# Altium PCB MARLIN.PcbDoc (part 1 of 3) (continued)
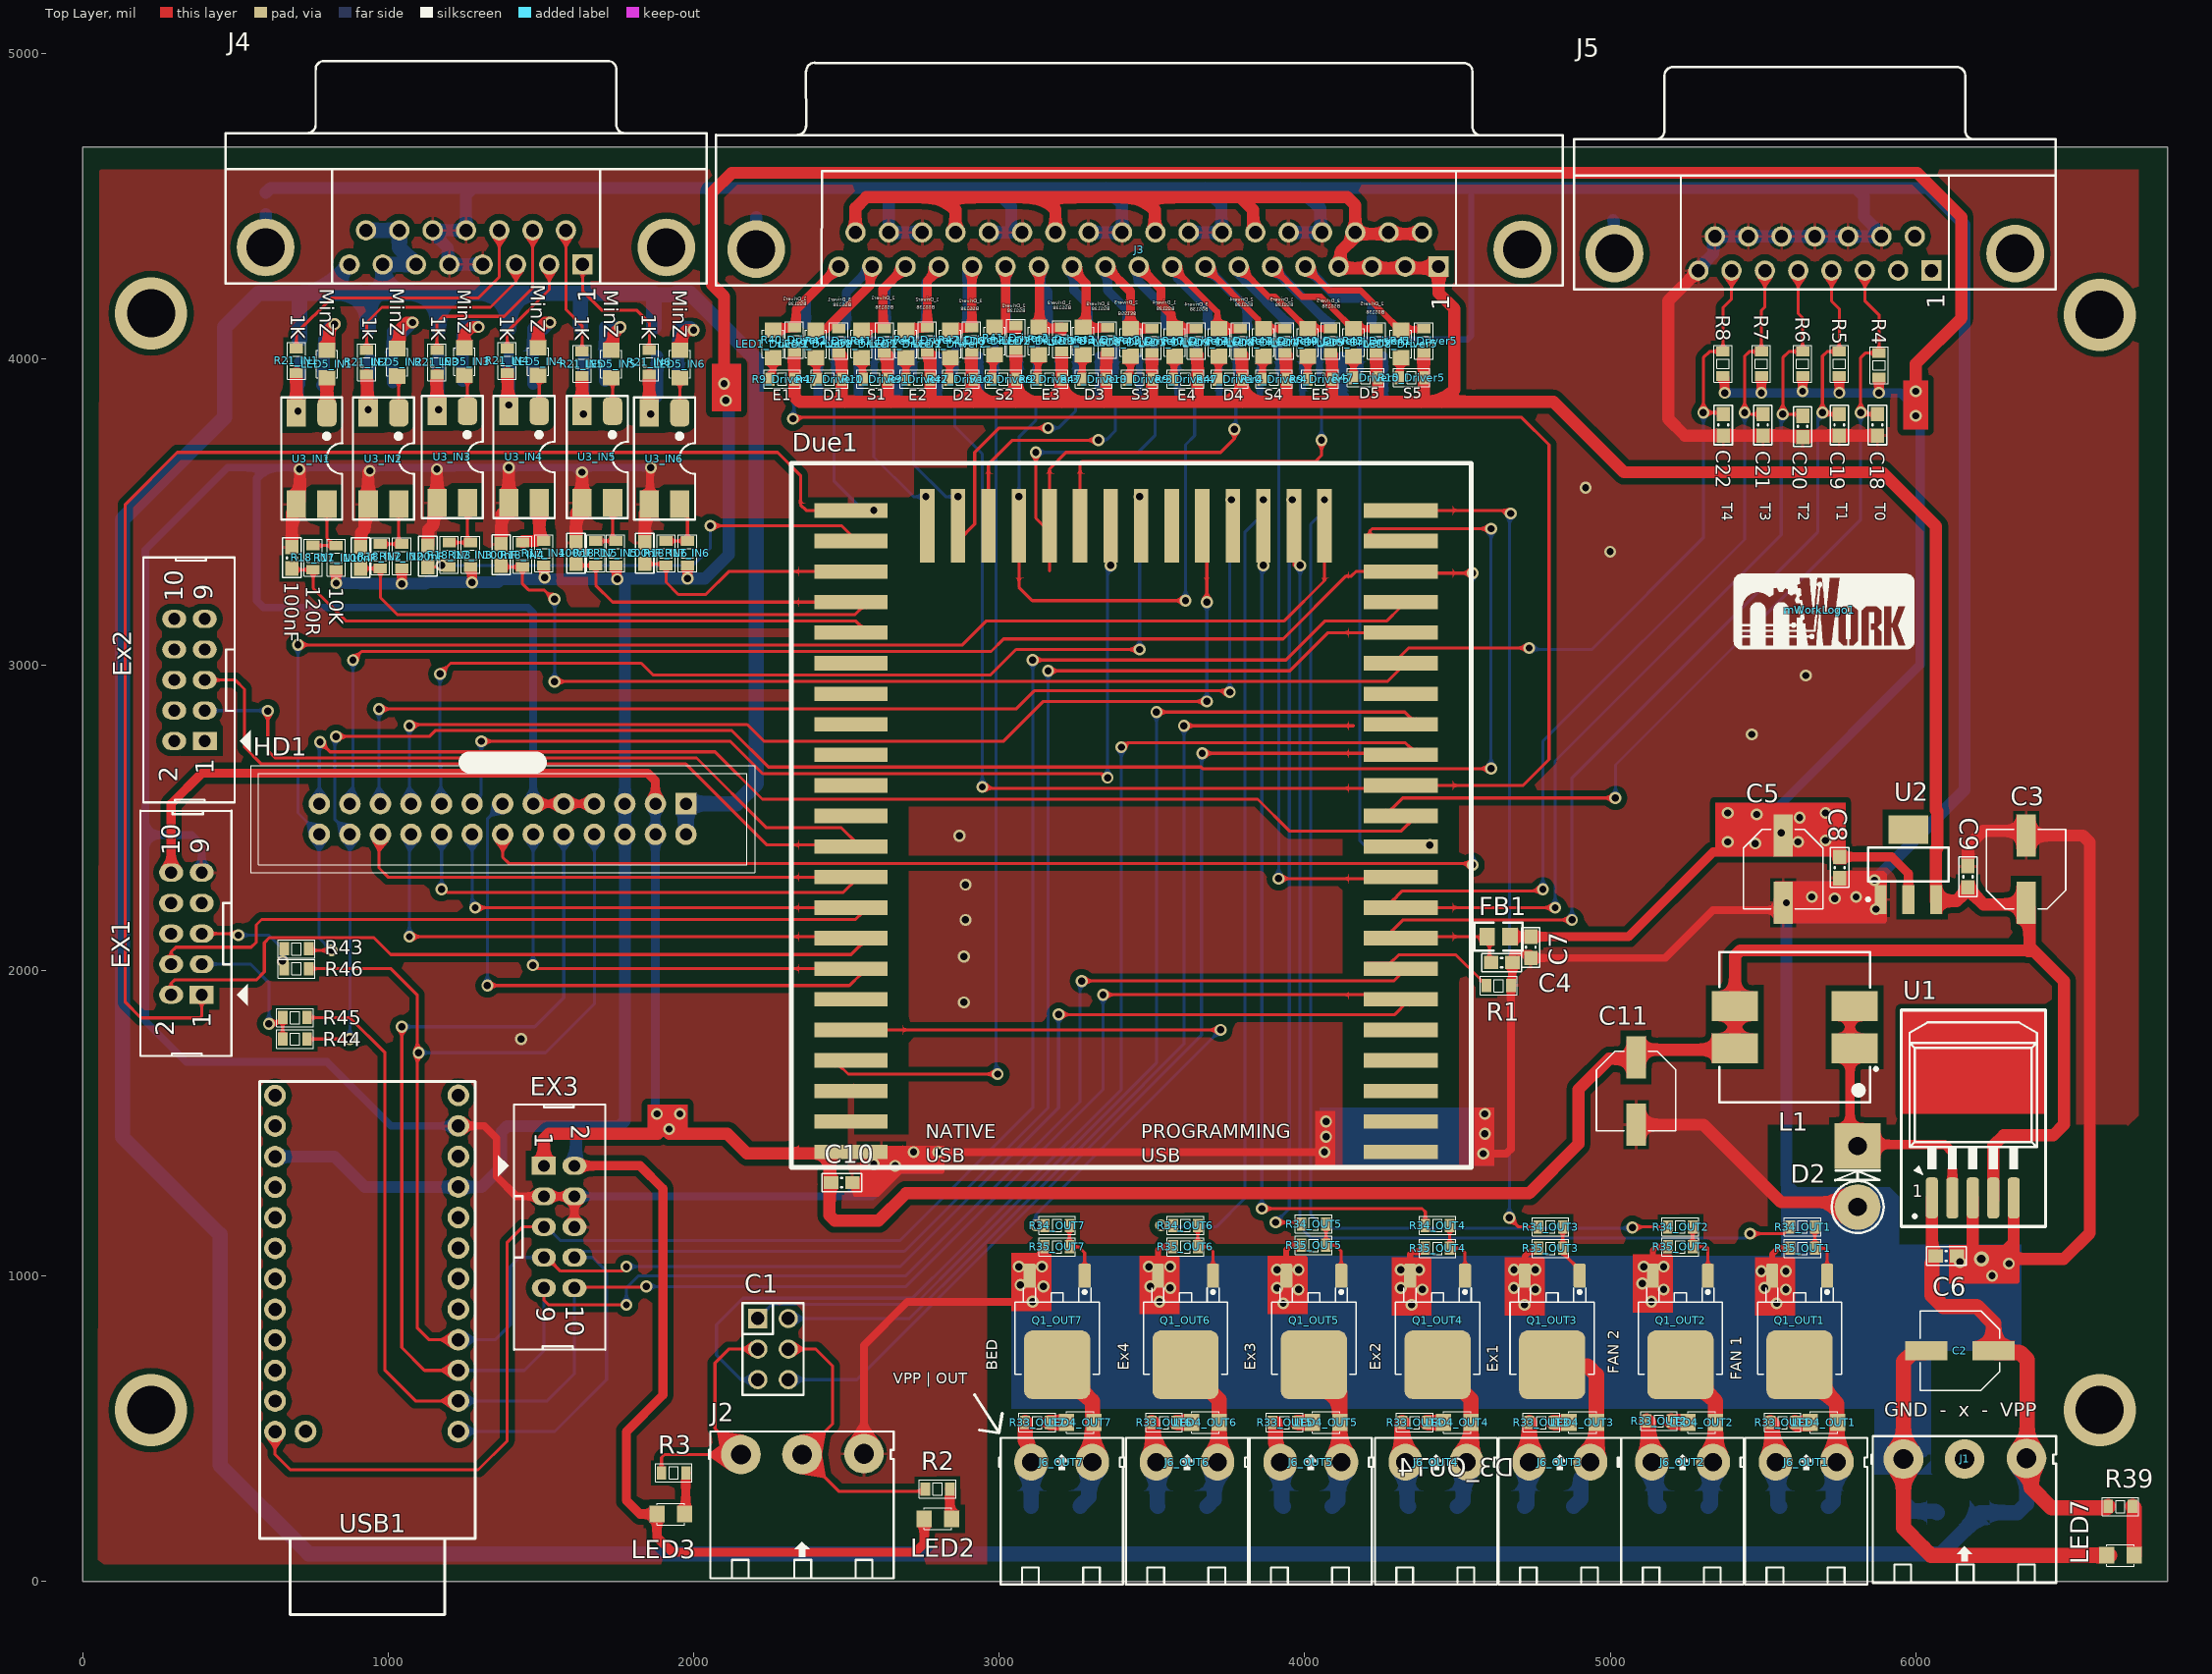
[diagram p0: Top Layer view]
## Components (designator, comment, footprint, x,y, rotation, side; value= is the part's Value field where it differs from the comment)
1_Driver1 "BSS138" SOT23-bss138 2368.64,4062.8 r180 bottom (schematic designator 1)
1_Driver2 "BSS138" SOT23-bss138 2760,4060 r180 bottom (schematic designator 1)
1_Driver3 "BSS138" SOT23-bss138 3160,4060 r180 bottom (schematic designator 1)
1_Driver4 "BSS138" SOT23-bss138 3545,4060 r180 bottom (schematic designator 1)
1_Driver5 "BSS138" SOT23-bss138 3952.6,4060 r180 bottom (schematic designator 1)
2_Driver1 "BSS138" SOT23-bss138 2630,4060 r180 bottom (schematic designator 2)
2_Driver2 "BSS138" SOT23-bss138 3025,4060 r180 bottom (schematic designator 2)
2_Driver3 "BSS138" SOT23-bss138 3420,4060 r180 bottom (schematic designator 2)
2_Driver4 "BSS138" SOT23-bss138 3815,4060 r180 bottom (schematic designator 2)
2_Driver5 "BSS138" SOT23-bss138 4220,4060 r180 bottom (schematic designator 2)
3_Driver1 "BSS138" SOT23-bss138 2500,4060 r180 bottom (schematic designator 3)
3_Driver2 "BSS138" SOT23-bss138 2895,4060 r180 bottom (schematic designator 3)
3_Driver3 "BSS138" SOT23-bss138 3290,4060 r180 bottom (schematic designator 3)
3_Driver4 "BSS138" SOT23-bss138 3682.6,4060 r180 bottom (schematic designator 3)
3_Driver5 "BSS138" SOT23-bss138 4085,4060 r180 bottom (schematic designator 3)
100nF "CN" CN-SMD-0603_big 1840,3365 r270 top value=33pF (schematic designator C27)
100nF "CN" CN-SMD-0603_big 1615,3365 r270 top value=33pF (schematic designator C27)
100nF "CN" CN-SMD-0603_big 1370,3360 r270 top value=33pF (schematic designator C27)
100nF "CN" CN-SMD-0603_big 1130,3355 r270 top value=33pF (schematic designator C27)
100nF "CN" CN-SMD-0603_big 910,3350 r270 top value=33pF (schematic designator C27)
100nF "CN" CN-SMD-0603_big 685,3350 r270 top value=33pF (schematic designator C27)
C1 "JP3x2" JP3-D2T 2260,760 r270 top
C2 "10uF" CAP-ALU-SMD-6.3x7.7x2.2 6145,755 r180 top
C3 "10uF" CAP-ALU-SMD-6.3x7.7x2.2 6361.2,2331.1 r90 top
C4 "CN" CN-SMD-0603_big 4740,2075 r90 top value=33pF
C5 "10uF" CAP-ALU-SMD-6.3x7.7x2.2 5566.2,2331.1 r270 top
C6 "CN" CN-SMD-0603_big 6100,1065 r180 top value=33pF
C7 "CN" CN-SMD-0603_big 4645,2025 r180 top value=33pF
C8 "CN" CN-SMD-0603_big 5751.2,2336.1 r90 top value=33pF
C9 "CN" CN-SMD-0603_big 6171.2,2306.1 r270 top value=33pF
C10 "CN" CN-SMD-0603_big 2485,1305 r180 top value=33pF
C11 "10uF" CAP-ALU-SMD-6.3x7.7x2.2 5085,1605 r270 top
C12 "10uF" CN-SMD-0603_big 2205,4500 r270 bottom value=33pF
C13 "CN" CN-SMD-0603_big 600,4510 r90 bottom value=33pF
C14 "10uF" CN-SMD-0603_big 5010,4490 r270 bottom value=33pF
C18 "10uF" CN-SMD-0603_big 5875,3785 r90 top value=33pF
C19 "10uF" CN-SMD-0603_big 5750,3785 r90 top value=33pF
C20 "10uF" CN-SMD-0603_big 5630,3780 r90 top value=33pF
C21 "10uF" CN-SMD-0603_big 5500,3785 r90 top value=33pF
C22 "10uF" CN-SMD-0603_big 5370,3785 r90 top value=33pF
C26_IN1 "CN" CN-SMD-0603_big 745,3990 r0 bottom value=33pF (schematic designator C26)
C26_IN2 "CN" CN-SMD-0603_big 975,4000 r0 bottom value=33pF (schematic designator C26)
C26_IN3 "CN" CN-SMD-0603_big 1200,4010 r0 bottom value=33pF (schematic designator C26)
C26_IN4 "CN" CN-SMD-0603_big 1430,4005 r0 bottom value=33pF (schematic designator C26)
C26_IN5 "CN" CN-SMD-0603_big 1675,4010 r0 bottom value=33pF (schematic designator C26)
C26_IN6 "CN" CN-SMD-0603_big 1915.85,4010 r0 bottom value=33pF (schematic designator C26)
D1 "Diode" DIO-SMD-214AC 6230,196.81 r180 bottom value=1N5007
D2 "1N5408" D5AN 5810,1425 r270 top
D3_OUT1 "Diode" DIO-SMD-106-HayDung 5635,245 r0 bottom value=1N5007 (schematic designator D3)
D3_OUT2 "Diode" DIO-SMD-106-HayDung 5240,245 r0 bottom value=1N5007 (schematic designator D3)
D3_OUT3 "Diode" DIO-SMD-106-HayDung 4800,245 r0 bottom value=1N5007 (schematic designator D3)
D3_OUT4 "Diode" DIO-SMD-106-HayDung 4420,245 r0 bottom value=1N5007 (schematic designator D3)
D3_OUT5 "Diode" DIO-SMD-106-HayDung 4010,245 r0 bottom value=1N5007 (schematic designator D3)
D3_OUT6 "Diode" DIO-SMD-106-HayDung 3600,245 r0 bottom value=1N5007 (schematic designator D3)
D3_OUT7 "Diode" DIO-SMD-106-HayDung 3185,245 r0 bottom value=1N5007 (schematic designator D3)
Due1 "ArduinoDue" DUE_MODULE_SMT 4265,1405 r0 top
EX1 "Header 5x2" Hed2X5 390,1920 r90 top
Ex2 "Header 5x2" Hed2X5 400,2750 r90 top
EX3 "Header 5x2" Hed2X5 1510,1360 r270 top
FB1 "FB" Capacitor_805 4635,2110 r0 top
HD1 "IDC 13X2" IDC26-B 1975,2545 r180 top value="Header 5x2"
J1 "KF3" KF3-5.08T 5960,400 r0 top
J2 "KF3" KF3-5.08T 2155,415 r0 top
J3 "DB37 Female" DB37 3398.02,4415.08 r90 top
J4 "A32121-ND" DB15 1255,4740 r0 top
J5 "A32121-ND" DB15 5670,4720 r0 top
J6_OUT1 "KF2" KF2-5.08T 5541.93,390 r0 top (schematic designator J6)
J6_OUT2 "KF2" KF2-5.08T 5136.74,390 r0 top (schematic designator J6)
J6_OUT3 "KF2" KF2-5.08T 4735,390 r0 top (schematic designator J6)
J6_OUT4 "KF2" KF2-5.08T 4330,390 r0 top (schematic designator J6)
J6_OUT5 "KF2" KF2-5.08T 3920,390 r0 top (schematic designator J6)
J6_OUT6 "KF2" KF2-5.08T 3515,390 r0 top (schematic designator J6)
J6_OUT7 "KF2" KF2-5.08T 3105,390 r0 top (schematic designator J6)
L1 "2.20 µH" L-SMD-D-12.5x12.5 5604.13,1813.9 r270 top
LED1_Driver1 "LED" LED-0805-Blue 2260,4005 r90 top value="LED 3 - 5 ly 2 Colour" (schematic designator LED1)
LED1_Driver2 "LED" LED-0805-Blue 2695,4005 r90 top value="LED 3 - 5 ly 2 Colour" (schematic designator LED1)
LED1_Driver3 "LED" LED-0805-Blue 3130,4015 r90 top value="LED 3 - 5 ly 2 Colour" (schematic designator LED1)
LED1_Driver4 "LED" LED-0805-Blue 3575,4010 r90 top value="LED 3 - 5 ly 2 Colour" (schematic designator LED1)
LED1_Driver5 "LED" LED-0805-Blue 4010,4010 r90 top value="LED 3 - 5 ly 2 Colour" (schematic designator LED1)
LED2 "LED" LED-0805-Blue 2755,205 r0 top value="LED 3 - 5 ly 2 Colour"
LED3 "LED" LED-0805-Blue 1880,220 r0 top value="LED 3 - 5 ly 2 Colour"
LED4_OUT1 "LED" LED-0805-Blue 5655,520 r0 top value="LED 3 - 5 ly 2 Colour" (schematic designator LED4)
LED4_OUT2 "LED" LED-0805-Blue 5255,520 r0 top value="LED 3 - 5 ly 2 Colour" (schematic designator LED4)
LED4_OUT3 "LED" LED-0805-Blue 4865,520 r0 top value="LED 3 - 5 ly 2 Colour" (schematic designator LED4)
LED4_OUT4 "LED" LED-0805-Blue 4455,520 r0 top value="LED 3 - 5 ly 2 Colour" (schematic designator LED4)
LED4_OUT5 "LED" LED-0805-Blue 4025,520 r0 top value="LED 3 - 5 ly 2 Colour" (schematic designator LED4)
LED4_OUT6 "LED" LED-0805-Blue 3630,520 r0 top value="LED 3 - 5 ly 2 Colour" (schematic designator LED4)
LED4_OUT7 "LED" LED-0805-Blue 3220,520 r0 top value="LED 3 - 5 ly 2 Colour" (schematic designator LED4)
LED5_IN1 "MinZ" LED-0805-Blue 799.79,4030 r270 top value="LED 3 - 5 ly 2 Colour" (schematic designator LED5)
LED5_IN2 "MinZ" LED-0805-Blue 1030,4035 r270 top value="LED 3 - 5 ly 2 Colour" (schematic designator LED5)
LED5_IN3 "MinZ" LED-0805-Blue 1250,4037.03 r270 top value="LED 3 - 5 ly 2 Colour" (schematic designator LED5)
LED5_IN4 "MinZ" LED-0805-Blue 1490.91,4037.03 r270 top value="LED 3 - 5 ly 2 Colour" (schematic designator LED5)
LED5_IN5 "MinZ" LED-0805-Blue 1730,4030 r270 top value="LED 3 - 5 ly 2 Colour" (schematic designator LED5)
LED5_IN6 "MinZ" LED-0805-Blue 1955,4030 r270 top value="LED 3 - 5 ly 2 Colour" (schematic designator LED5)
LED7 "LED" LED-0805-Blue 6715,85 r180 top value="LED 3 - 5 ly 2 Colour"
LED8_Driver1 "LED" LED-0805-Blue 2550,4005 r90 top value="LED 3 - 5 ly 2 Colour" (schematic designator LED8)
LED8_Driver2 "LED" LED-0805-Blue 2985,4015 r90 top value="LED 3 - 5 ly 2 Colour" (schematic designator LED8)
LED8_Driver3 "LED" LED-0805-Blue 3430,4010 r90 top value="LED 3 - 5 ly 2 Colour" (schematic designator LED8)
LED8_Driver4 "LED" LED-0805-Blue 3865,4010 r90 top value="LED 3 - 5 ly 2 Colour" (schematic designator LED8)
LED8_Driver5 "LED" LED-0805-Blue 4315,4005 r90 top value="LED 3 - 5 ly 2 Colour" (schematic designator LED8)
LED9_Driver1 "LED" LED-0805-Blue 2400,4005 r90 top value="LED 3 - 5 ly 2 Colour" (schematic designator LED9)
LED9_Driver2 "LED" LED-0805-Blue 2840,4005 r90 top value="LED 3 - 5 ly 2 Colour" (schematic designator LED9)
LED9_Driver3 "LED" LED-0805-Blue 3275,4015 r90 top value="LED 3 - 5 ly 2 Colour" (schematic designator LED9)
LED9_Driver4 "LED" LED-0805-Blue 3720,4010 r90 top value="LED 3 - 5 ly 2 Colour" (schematic designator LED9)
LED9_Driver5 "LED" LED-0805-Blue 4160,4010 r90 top value="LED 3 - 5 ly 2 Colour" (schematic designator LED9)
mWorkLogo1 "LogoMwork" LogoMwork15*6 5685,3180 r0 top
Q1_OUT1 "IPD079N06L3" TO252-3 5620,854.33 r180 top (schematic designator Q1)
Q1_OUT2 "IPD079N06L3" TO252-3 5230.04,854.33 r180 top (schematic designator Q1)
Q1_OUT3 "IPD079N06L3" TO252-3 4810,854.33 r180 top (schematic designator Q1)
Q1_OUT4 "IPD079N06L3" TO252-3 4435,854.33 r180 top (schematic designator Q1)
Q1_OUT5 "IPD079N06L3" TO252-3 4030,854.33 r180 top (schematic designator Q1)
Q1_OUT6 "IPD079N06L3" TO252-3 3610,854.33 r180 top (schematic designator Q1)
Q1_OUT7 "IPD079N06L3" TO252-3 3189.96,854.33 r180 top (schematic designator Q1)
R1 "R" RES-SMD-0603_BIG 4635,1950 r0 top
R2 "R" RES-SMD-0603_BIG 2798.44,302.15 r0 top
R3 "R" RES-SMD-0603_BIG 1935,355 r0 top
R4 "4.7K" RES-SMD-0603_BIG 5880,3980 r90 top
R5 "4.7K" RES-SMD-0603_BIG 5750,3985 r90 top
R6 "4.7K" RES-SMD-0603_BIG 5630,3985 r90 top
R7 "4.7K" RES-SMD-0603_BIG 5495,3985 r90 top
R8 "4.7K" RES-SMD-0603_BIG 5369.47,3985 r90 top
R9_Driver1 "R" RES-SMD-0603_BIG 2290,3935 r180 top (schematic designator R9)
R9_Driver2 "R" RES-SMD-0603_BIG 2735,3935 r180 top (schematic designator R9)
R9_Driver3 "R" RES-SMD-0603_BIG 3165,3935 r180 top (schematic designator R9)
R9_Driver4 "R" RES-SMD-0603_BIG 3610,3935 r180 top (schematic designator R9)
R9_Driver5 "R" RES-SMD-0603_BIG 4050,3935 r180 top (schematic designator R9)
R10_Driver1 "R" RES-SMD-0603_BIG 2595,3935 r180 top (schematic designator R10)
R10_Driver2 "R" RES-SMD-0603_BIG 3015,3935 r180 top (schematic designator R10)
R10_Driver3 "R" RES-SMD-0603_BIG 3460,3935 r180 top (schematic designator R10)
R10_Driver4 "R" RES-SMD-0603_BIG 3900,3935 r180 top (schematic designator R10)
R10_Driver5 "R" RES-SMD-0603_BIG 4350,3940 r180 top (schematic designator R10)
R17_IN1 "10K" RES-SMD-0603_BIG 830,3350 r90 top (schematic designator R17)
R17_IN2 "10K" RES-SMD-0603_BIG 1045,3355 r90 top (schematic designator R17)
R17_IN3 "10K" RES-SMD-0603_BIG 1270,3360 r90 top (schematic designator R17)
R17_IN4 "10K" RES-SMD-0603_BIG 1510,3365 r90 top (schematic designator R17)
R17_IN5 "10K" RES-SMD-0603_BIG 1745,3365 r90 top (schematic designator R17)
R17_IN6 "10K" RES-SMD-0603_BIG 1980,3365 r90 top (schematic designator R17)
R18_IN1 "120R" RES-SMD-0603_BIG 754.79,3350.85 r90 top (schematic designator R18)
R18_IN2 "120R" RES-SMD-0603_BIG 975,3355 r90 top (schematic designator R18)
R18_IN3 "120R" RES-SMD-0603_BIG 1200,3360 r90 top (schematic designator R18)
R18_IN4 "120R" RES-SMD-0603_BIG 1440,3360 r90 top (schematic designator R18)
R18_IN5 "120R" RES-SMD-0603_BIG 1680,3365 r90 top (schematic designator R18)
R18_IN6 "120R" RES-SMD-0603_BIG 1910,3365 r90 top (schematic designator R18)
R19_IN1 "R" RES-SMD-0603_BIG 750,4065 r0 bottom (schematic designator R19)
R19_IN2 "R" RES-SMD-0603_BIG 975,4095 r0 bottom (schematic designator R19)
R19_IN3 "R" RES-SMD-0603_BIG 1205,4100 r0 bottom (schematic designator R19)
R19_IN4 "R" RES-SMD-0603_BIG 1435,4100 r0 bottom (schematic designator R19)
R19_IN5 "R" RES-SMD-0603_BIG 1670,4105 r0 bottom (schematic designator R19)
R19_IN6 "R" RES-SMD-0603_BIG 1910,4105 r0 bottom (schematic designator R19)
R20_IN1 "R" RES-SMD-0603_BIG 745,3915 r180 bottom (schematic designator R20)
R20_IN2 "R" RES-SMD-0603_BIG 975,3925 r180 bottom (schematic designator R20)
R20_IN3 "R" RES-SMD-0603_BIG 1205,3930 r180 bottom (schematic designator R20)
R20_IN4 "R" RES-SMD-0603_BIG 1430,3930 r180 bottom (schematic designator R20)
R20_IN5 "R" RES-SMD-0603_BIG 1680,3935 r180 bottom (schematic designator R20)
R20_IN6 "R" RES-SMD-0603_BIG 1915.85,3935 r180 bottom (schematic designator R20)
R21_IN1 "1K" RES-SMD-0603_BIG 700,3995 r270 top (schematic designator R21)
R21_IN2 "1k" RES-SMD-0603_BIG 930,3990 r270 top (schematic designator R21)
R21_IN3 "1K" RES-SMD-0603_BIG 1160,3990 r270 top (schematic designator R21)
R21_IN4 "1K" RES-SMD-0603_BIG 1390,3995 r270 top (schematic designator R21)
R21_IN5 "1K" RES-SMD-0603_BIG 1635,3985 r270 top (schematic designator R21)
R21_IN6 "1K" RES-SMD-0603_BIG 1855,3990 r270 top (schematic designator R21)
R30_Driver1 "R" RES-SMD-0603_BIG 2368.64,3947.8 r180 bottom (schematic designator R30)
R30_Driver2 "R" RES-SMD-0603_BIG 2760,3945 r180 bottom (schematic designator R30)
R30_Driver3 "R" RES-SMD-0603_BIG 3160,3945 r180 bottom (schematic designator R30)
R30_Driver4 "R" RES-SMD-0603_BIG 3550,3945 r180 bottom (schematic designator R30)
R30_Driver5 "R" RES-SMD-0603_BIG 3955,3945 r180 bottom (schematic designator R30)
R31_Driver1 "R" RES-SMD-0603_BIG 2630,3945 r180 bottom (schematic designator R31)
R31_Driver2 "R" RES-SMD-0603_BIG 3030,3945 r180 bottom (schematic designator R31)
R31_Driver3 "R" RES-SMD-0603_BIG 3420,3945 r180 bottom (schematic designator R31)
R31_Driver4 "R" RES-SMD-0603_BIG 3815,3945 r180 bottom (schematic designator R31)
R31_Driver5 "R" RES-SMD-0603_BIG 4220,3945 r180 bottom (schematic designator R31)
R32_Driver1 "R" RES-SMD-0603_BIG 2500,3945 r180 bottom (schematic designator R32)
R32_Driver2 "R" RES-SMD-0603_BIG 2895,3945 r180 bottom (schematic designator R32)
R32_Driver3 "R" RES-SMD-0603_BIG 3290,3945 r180 bottom (schematic designator R32)
R32_Driver4 "R" RES-SMD-0603_BIG 3680,3945 r180 bottom (schematic designator R32)
R32_Driver5 "R" RES-SMD-0603_BIG 4090,3945 r180 bottom (schematic designator R32)
R33_OUT1 "R" RES-SMD-0603_BIG 5565,520 r180 top (schematic designator R33)
R33_OUT2 "R" RES-SMD-0603_BIG 5160,525 r180 top (schematic designator R33)
R33_OUT3 "R" RES-SMD-0603_BIG 4775,520 r180 top (schematic designator R33)
R33_OUT4 "R" RES-SMD-0603_BIG 4360,520 r180 top (schematic designator R33)
R33_OUT5 "R" RES-SMD-0603_BIG 3935,520 r180 top (schematic designator R33)
R33_OUT6 "R" RES-SMD-0603_BIG 3540,520 r180 top (schematic designator R33)
R33_OUT7 "R" RES-SMD-0603_BIG 3125,520 r180 top (schematic designator R33)
R34_OUT1 "R" RES-SMD-0603_BIG 5630,1160 r0 top (schematic designator R34)
R34_OUT2 "R" RES-SMD-0603_BIG 5230,1160 r0 top (schematic designator R34)
R34_OUT3 "R" RES-SMD-0603_BIG 4805,1160 r0 top (schematic designator R34)
R34_OUT4 "R" RES-SMD-0603_BIG 4435,1165 r0 top (schematic designator R34)
R34_OUT5 "R" RES-SMD-0603_BIG 4030,1170 r0 top (schematic designator R34)
R34_OUT6 "R" RES-SMD-0603_BIG 3610,1165 r0 top (schematic designator R34)
R34_OUT7 "R" RES-SMD-0603_BIG 3190,1165 r0 top (schematic designator R34)
R35_OUT1 "R" RES-SMD-0603_BIG 5630,1090 r0 top (schematic designator R35)
R35_OUT2 "R" RES-SMD-0603_BIG 5230,1095 r0 top (schematic designator R35)
R35_OUT3 "R" RES-SMD-0603_BIG 4805,1090 r0 top (schematic designator R35)
R35_OUT4 "R" RES-SMD-0603_BIG 4435,1090 r0 top (schematic designator R35)
R35_OUT5 "R" RES-SMD-0603_BIG 4030,1100 r0 top (schematic designator R35)
R35_OUT6 "R" RES-SMD-0603_BIG 3610,1095 r0 top (schematic designator R35)
R35_OUT7 "R" RES-SMD-0603_BIG 3190,1095 r0 top (schematic designator R35)
R36_Driver1 "R" RES-SMD-0603_BIG 2368.64,3877.8 r0 bottom (schematic designator R36)
R36_Driver2 "R" RES-SMD-0603_BIG 2760,3875 r0 bottom (schematic designator R36)
R36_Driver3 "R" RES-SMD-0603_BIG 3160,3875 r0 bottom (schematic designator R36)
R36_Driver4 "R" RES-SMD-0603_BIG 3550,3875 r0 bottom (schematic designator R36)
R36_Driver5 "R" RES-SMD-0603_BIG 3955,3875 r0 bottom (schematic designator R36)
R37_Driver1 "R" RES-SMD-0603_BIG 2630,3875 r0 bottom (schematic designator R37)
R37_Driver2 "R" RES-SMD-0603_BIG 3030,3875 r0 bottom (schematic designator R37)
R37_Driver3 "R" RES-SMD-0603_BIG 3420,3875 r0 bottom (schematic designator R37)
R37_Driver4 "R" RES-SMD-0603_BIG 3815,3875 r0 bottom (schematic designator R37)
R37_Driver5 "R" RES-SMD-0603_BIG 4220,3875 r0 bottom (schematic designator R37)
R38_Driver1 "R" RES-SMD-0603_BIG 2500,3875 r0 bottom (schematic designator R38)
R38_Driver2 "R" RES-SMD-0603_BIG 2895,3875 r0 bottom (schematic designator R38)
R38_Driver3 "R" RES-SMD-0603_BIG 3290,3875 r0 bottom (schematic designator R38)
R38_Driver4 "R" RES-SMD-0603_BIG 3680,3875 r0 bottom (schematic designator R38)
R38_Driver5 "R" RES-SMD-0603_BIG 4090,3875 r0 bottom (schematic designator R38)
R39 "R" RES-SMD-0603_BIG 6670,245 r0 top
R40_Driver1 "R" RES-SMD-0603_BIG 2330,4062.97 r90 top (schematic designator R40)
R40_Driver2 "R" RES-SMD-0603_BIG 2765,4062.97 r90 top (schematic designator R40)
R40_Driver3 "R" RES-SMD-0603_BIG 3205,4065 r90 top (schematic designator R40)
R40_Driver4 "R" RES-SMD-0603_BIG 3645,4060 r90 top (schematic designator R40)
R40_Driver5 "R" RES-SMD-0603_BIG 4085,4060 r90 top (schematic designator R40)
R41_Driver1 "R" RES-SMD-0603_BIG 2625,4060 r90 top (schematic designator R41)
R41_Driver2 "R" RES-SMD-0603_BIG 3055,4070 r90 top (schematic designator R41)
R41_Driver3 "R" RES-SMD-0603_BIG 3500,4060 r90 top (schematic designator R41)
R41_Driver4 "R" RES-SMD-0603_BIG 3935,4060 r90 top (schematic designator R41)
R41_Driver5 "R" RES-SMD-0603_BIG 4390,4060 r90 top (schematic designator R41)
R42_Driver1 "R" RES-SMD-0603_BIG 2475,4060 r90 top (schematic designator R42)
R42_Driver2 "R" RES-SMD-0603_BIG 2910,4062.97 r90 top (schematic designator R42)
R42_Driver3 "R" RES-SMD-0603_BIG 3355,4062.97 r90 top (schematic designator R42)
R42_Driver4 "R" RES-SMD-0603_BIG 3790,4060 r90 top (schematic designator R42)
R42_Driver5 "R" RES-SMD-0603_BIG 4235,4060 r90 top (schematic designator R42)
R43 "R" RES-SMD-0603_BIG 700,2070 r0 top
R44 "R" RES-SMD-0603_BIG 695,1775 r0 top
R45 "R" RES-SMD-0603_BIG 695,1845 r0 top
R46 "R" RES-SMD-0603_BIG 700,2005 r0 top
R47_Driver1 "R" RES-SMD-0603_BIG 2445,3935 r180 top (schematic designator R47)
R47_Driver2 "R" RES-SMD-0603_BIG 2875,3935 r180 top (schematic designator R47)
R47_Driver3 "R" RES-SMD-0603_BIG 3310,3935 r180 top (schematic designator R47)
R47_Driver4 "R" RES-SMD-0603_BIG 3755,3935 r180 top (schematic designator R47)
R47_Driver5 "R" RES-SMD-0603_BIG 4200,3940 r180 top (schematic designator R47)
U1 "LM2576" TO263 6171.93,1490 r0 top
U2 "LM1117-3.3V" SOT223 5976.2,2346.1 r0 top
U3_IN1 "PC817" PC817SMT 800,3825 r180 top (schematic designator U3)
U3_IN2 "PC817" PC817SMT 1035,3825 r180 top (schematic designator U3)
U3_IN3 "PC817" PC817SMT 1260,3830 r180 top (schematic designator U3)
U3_IN4 "PC817" PC817SMT 1495,3830 r180 top (schematic designator U3)
U3_IN5 "PC817" PC817SMT 1735,3830 r180 top (schematic designator U3)
U3_IN6 "PC817" PC817SMT 1955,3825 r180 top (schematic designator U3)
USB1 "MAX3421E" USB_SHIELD 1230,490.61 r180 top

## Footprints (in the part's own frame and the unit in brackets; to place one, negate y for a bottom-side part, rotate by r counter-clockwise, add the part's x,y. Pads: shape width x height; smd on the part's side, far side on the other; paste and mask are expansions set on the pad)
CAP-ALU-SMD-6.3x7.7x2.2 [mm]
  rect 3.5x1.6 smd: 1(-2.8,0) 2(2.8,0)
  silkscreen extent -3.3,-3.3 3.3,3.3, body extent -3.65,-3.3 3.65,3.3, height 7.65
Capacitor_805 [mm]
  rect 1.3x1.5 smd: 1(0.95,0) 2(-0.95,0)
  silkscreen extent -2,-1.15 2,1.15, body extent -1,-0.63 1,0.62, height 0.78
CN-SMD-0603_big [mm]
  rect 1.2x1.1 smd: 1(-0.889,0) 2(0.889,0)
  silkscreen extent -1.65,-0.76 1.65,0.76, body extent -0.8,-0.4 0.8,0.4, height 0.3
D5AN [mil] "Diode 5A, W 200mil, L 250mil"
  round 150 hole 60: 1(200,0)
  rect 150x150 hole 60: 2(0,0)
  silkscreen extent 81,-85 285,85, body extent 21,-74 189,31, height 252
DB15 [mm] "Connector; D Subminiature AMPLIMITE 2000; 15 Position; Right Angle"
  rect 1.69x1.69 hole 1.09: 1(9.695,-10.92)
  round 1.69 hole 1.09: 2(6.925,-10.92) 3(4.155,-10.92) 4(1.385,-10.92) 5(-1.385,-10.92) 6(-4.155,-10.92) 7(-6.925,-10.92) 8(-9.683,-10.925) 9(8.31,-8.08) 10(5.54,-8.08) 11(2.77,-8.08) 12(0,-8.08) 13(-2.77,-8.08) 14(-5.54,-8.08) 15(-8.31,-8.08)
  round 4.8 hole 3.18: 16(16.66,-9.5) 17(-16.66,-9.5)
  silkscreen extent -20,-12.5 20,6, body extent -19.56,-12.7 20.06,6.1, height 12.56
DB37 [mm]
  rect 1.69x1.69 hole 1.09: 1(-2.842,-26.427)
  round 1.69 hole 1.09: 2(-2.842,-23.657) 3(-2.842,-20.887) 4(-2.842,-18.117) 5(-2.842,-15.347) 6(-2.842,-12.577) 7(-2.842,-9.807) 8(-2.842,-7.037) 9(-2.842,-4.267) 10(-2.842,-1.497) 11(-2.842,1.27) 12(-2.842,4.043) 13(-2.842,6.813) 14(-2.842,9.583) 15(-2.842,12.353) 16(-2.842,15.123) 17(-2.842,17.893) 18(-2.842,20.663) 19(-2.842,23.433) 20(-0.002,-25.042) 21(-0.002,-22.272) 22(-0.002,-19.502) 23(-0.002,-16.732) 24(-0.002,-13.962) 25(-0.002,-11.192) 26(-0.002,-8.422) 27(-0.002,-5.652) 28(-0.002,-2.882) 29(-0.002,-0.112) 30(-0.002,2.658) 31(-0.002,5.428) 32(-0.002,8.198) 33(-0.002,10.968) 34(-0.002,13.738) 35(-0.002,16.508) 36(-0.002,19.278) 37(-0.002,22.048)
  round 4.8 hole 3.18: 38(-1.416,-33.395) 39(-1.397,30.306)
  silkscreen extent -4.42,-36.73 14.1,33.66, body extent -4.14,-36.35 18.92,33.3, height 12.71
DIO-SMD-106-HayDung [mm]
  rect 2.5x2.6 smd: 1(2.032,0) 2(-2.032,0)
  silkscreen extent -3.56,-1.4 3.43,1.4, body extent -2.51,-1.28 2.69,1.32, height 2.4
DIO-SMD-214AC [mil] "DO-214AC , ES1J"
  rect 65x80 smd: 1(160,28.19) 2(20,28.19)
  silkscreen extent -20,-25 200,85, body extent 16,-1 161,62, height 49
DUE_MODULE_SMT [mm]
  rect 3.6x1.2 smd: 1(0,0) 2(2.54,0) 3(0,2.54) 4(2.54,2.54) 5(0,5.08) 6(2.54,5.08) 7(0,7.62) 8(2.54,7.62) 9(0,10.16) 10(2.54,10.16) 11(0,12.7) 12(2.54,12.7) 13(0,15.24) 14(2.54,15.24) 15(0,17.78) 16(2.54,17.78) 17(0,20.32) 18(2.54,20.32) 19(0,22.86) 20(2.54,22.86) 21(0,25.4) 22(2.54,25.4) 23(0,27.94) 24(2.54,27.94) 25(0,30.48) 26(2.54,30.48) 27(0,33.02) 28(2.54,33.02) 29(0,35.56) 30(2.54,35.56) 31(0,38.1) 32(2.54,38.1) 33(0,40.64) 34(2.54,40.64) 35(0,43.18) 36(2.54,43.18) 37(0,45.72) 38(2.54,45.72) 39(0,48.26) 40(2.54,48.26) 41(0,50.8) 42(2.54,50.8) 43(0,53.34) 44(2.54,53.34)
  rect 3.55x1.2 smd: 45(-45.72,0) 46(-43.18,0) 47(-45.72,2.54) 48(-43.18,2.54) 49(-45.72,5.08) 50(-43.18,5.08) 51(-45.72,7.62) 52(-43.18,7.62) 53(-45.72,10.16) 54(-43.18,10.16) 55(-45.72,12.7) 56(-43.18,12.7) 57(-45.72,15.24) 58(-43.18,15.24) 59(-45.72,17.78) 60(-43.18,17.78) 61(-45.72,20.32) 62(-43.18,20.32) 63(-45.72,22.86) 64(-43.18,22.86) 65(-45.72,25.4) 66(-43.18,25.4) 67(-45.72,27.94) 68(-43.18,27.94) 69(-45.72,30.48) 70(-43.18,30.48) 71(-45.72,33.02) 72(-43.18,33.02) 73(-45.72,35.56) 74(-43.18,35.56) 75(-45.72,38.1) 76(-43.18,38.1) 77(-45.72,40.64) 78(-43.18,40.64) 79(-45.72,43.18) 80(-43.18,43.18) 81(-45.72,45.72) 82(-43.18,45.72) 83(-45.72,48.26) 84(-43.18,48.26) 85(-45.72,50.8) 86(-43.18,50.8) 87(-45.72,53.34) 88(-43.18,53.34)
  rect 1.2x3.6 smd: 89(-38.1,50.8) 90(-38.1,53.34) 91(-35.56,50.8) 92(-35.56,53.34) 93(-33.02,50.8) 94(-33.02,53.34) 95(-30.48,50.8) 96(-30.48,53.34) 97(-27.94,50.8) 98(-27.94,53.34) 99(-25.4,50.8) 100(-25.4,53.34) 101(-22.86,50.8) 102(-22.86,53.34) 103(-20.32,50.8) 104(-20.32,53.34) 105(-17.78,50.8) 106(-17.78,53.34) 107(-15.24,50.8) 108(-15.24,53.34) 109(-12.7,50.8) 110(-12.7,53.34) 111(-10.16,50.8) 112(-10.16,53.34) 113(-7.62,50.8) 114(-7.62,53.34) 115(-5.08,50.8) 116(-5.08,53.34)
  silkscreen extent -49.4,-1.27 7.11,57.28
Hed2X5 [mm] "Header 10x2,20 pin, connecter"
  rect 1.5x2 hole 1: 1(0,0)
  oval 1.5x2 hole 1: 2(0,2.54) 3(2.54,0) 4(2.54,2.54) 5(5.08,0) 6(5.08,2.54) 7(7.62,0) 8(7.62,2.54) 9(10.16,0) 10(10.16,2.54)
  silkscreen extent -5.1,-3.81 15.29,5.11, body extent -5.17,-3.33 15.33,5.97, height 8.82
IDC26-B [mil]
  rect 70x70 hole 40: 1(0,0)
  round 70 hole 40: 2(0,100) 3(100,0) 4(100,100) 5(200,0) 6(200,100) 7(300,0) 8(300,100) 9(400,0) 10(400,100) 11(500,0) 12(500,100) 13(600,0) 14(600,100) 15(700,0) 16(700,100) 17(800,0) 18(800,100) 19(900,0) 20(900,100) 21(1000,0) 22(1000,100) 23(1100,0) 24(1100,100) 25(1200,0) 26(1200,100)
  silkscreen extent -226,-125 1425,225, body extent -225,-125 1425,225, height 358
JP3-D2T [mm] "6 pins, dual pin, straight, gold plating"
  rect 1.6x1.6 hole 1.1: 1(-2.54,-1.27)
  round 1.6 hole 1.1: 2(0,-1.27) 3(2.54,-1.27) 4(2.54,1.27) 5(0,1.27) 6(-2.54,1.27)
  silkscreen extent -3.81,-2.54 3.81,2.54, body extent -3.81,-2.54 3.81,2.54, height 8.55
KF2-5.08T [mil] "Header 2, 2 pin, hight 300mil, Pin to Pin 200, Colour Green"
  oval 110x120 hole 60: 1(0,0) 2(200,0)
  silkscreen extent -105,-400 300,80, body extent -97,-399 297,73, height 334
KF3-5.08T [mil] "Header 3, 3 pin, hight 300mil, Pin to Pin 200, Colour Green"
  round 130 hole 65: 1(0,0) 2(200,0) 3(402.62,2.62)
  silkscreen extent -105,-405 500,75, body extent -95,-404 496,68, height 124
L-SMD-D-12.5x12.5 [mm] "SMD Inductor, 4-Leads, Body 12.5x12.5mm (max)"
  rect 2.5x3.85 smd: 1(1.75,4.975) 2(-1.75,4.975) 3(-1.75,-4.975) 4(1.75,-4.975)
  silkscreen extent -6.25,-6.25 6.25,6.88, body extent -6.25,-6.25 6.25,6.25, height 8.6
LED-0805-Blue [mil]
  rect 50x55 smd: 1(0,0) 2(90,0)
  silkscreen extent 0,-35 90,35, body extent 5,-25 85,25, height 43
LogoMwork15*6 [mil] "15mm*6mm"
  silkscreen extent -281,-128 311,118
PC817SMT [mil] "4 PIN, W 300mil, Pin to pin 100mil"
  rrect50% 62.99x90 smd: 1(0,0)
  rect 62.99x90 smd: 2(100,0) 3(100,300) 4(0,300)
  silkscreen extent -50,-50 150,350, body extent -59,-10 159,305, height 170
RES-SMD-0603_BIG [mm]
  rect 0.8x1.1 smd: 1(-1.016,0) 2(1.016,0)
  silkscreen extent -1.52,-0.76 1.52,0.76, body extent -0.8,-0.4 0.8,0.4, height 0.43
SOT23-bss138 [mm] "SOT23, 1=bottom-left, 2=top, 3=bottom-right"
  rect 0.9x0.95 smd: D(0,1.25) G(-0.95,-1.25) S(0.955,-1.25)
  silkscreen extent -1.3,-0.38 1.3,1.25, body extent -1.52,-1.23 1.48,1.27, height 1.06
SOT223 [mm]
  rect 1x2.4 smd: 1(-2.3,-2.9) 2(0,-2.9) 3(2.3,-2.9)
  rect 3.3x2.4 smd: 4(0,2.9)
  silkscreen extent -3.47,-3.02 3.35,1.4, body extent -3.25,-3.56 3.25,3.4, height 1.68
TO252-3 [mm]
  round 0.5 on Mech15: 0(0,0)
  rrect25% 1x2 smd: 1(-2.285,-3.7) 3(2.285,-3.7)
  rrect25% 5.5x5.7 smd: 2(0,3.7)
  silkscreen extent -3.5,-2.7 3.5,4.5, body extent -3.3,-3.95 3.3,5.76, height 2.31
TO263 [mm]
  rrect50% 1x3.4 smd: 1(-3.019,-5.969) 2(-1.319,-5.969) 4(2.081,-5.969) 5(3.781,-5.969)
  rrect50% 1x3.4 smd mask+0: 3(0.381,-5.969)
  Top Layer region: -5.568,1.016 6.432,1.016 6.432,9.65 -5.568,9.65
  silkscreen extent -5.57,-8.35 6.43,9.65, body extent -4.73,-6.84 5.43,7.8, height 4.57
USB_SHIELD [mm] "4 PIN, W 300mil, Pin to pin 100mil"
  round 1.8 hole 1.1: 1(0,0) 2(0,-2.54) 3(0,-5.08) 4(0,-7.62) 5(0,-10.16) 6(0,-12.7) 7(0,-15.24) 8(0,-17.78) 9(0,-20.32) 10(0,-22.86) 11(0,-25.4) 12(0,-27.94) 13(12.7,0) 17(15.24,0.015) 18(15.24,-2.525) 19(15.24,-5.065) 20(15.24,-7.605) 21(15.24,-10.145) 22(15.24,-12.685) 23(15.24,-15.225) 24(15.24,-17.765) 25(15.24,-20.305) 26(15.24,-22.845) 27(15.24,-25.385) 28(15.24,-27.925)
  silkscreen extent -1.4,-29.08 16.51,15.24, body extent -1.42,-29.36 16.47,16.34, height 12.45